# KiCad board RUSP_Mainboard_panelMockup.kicad_pcb (continued)
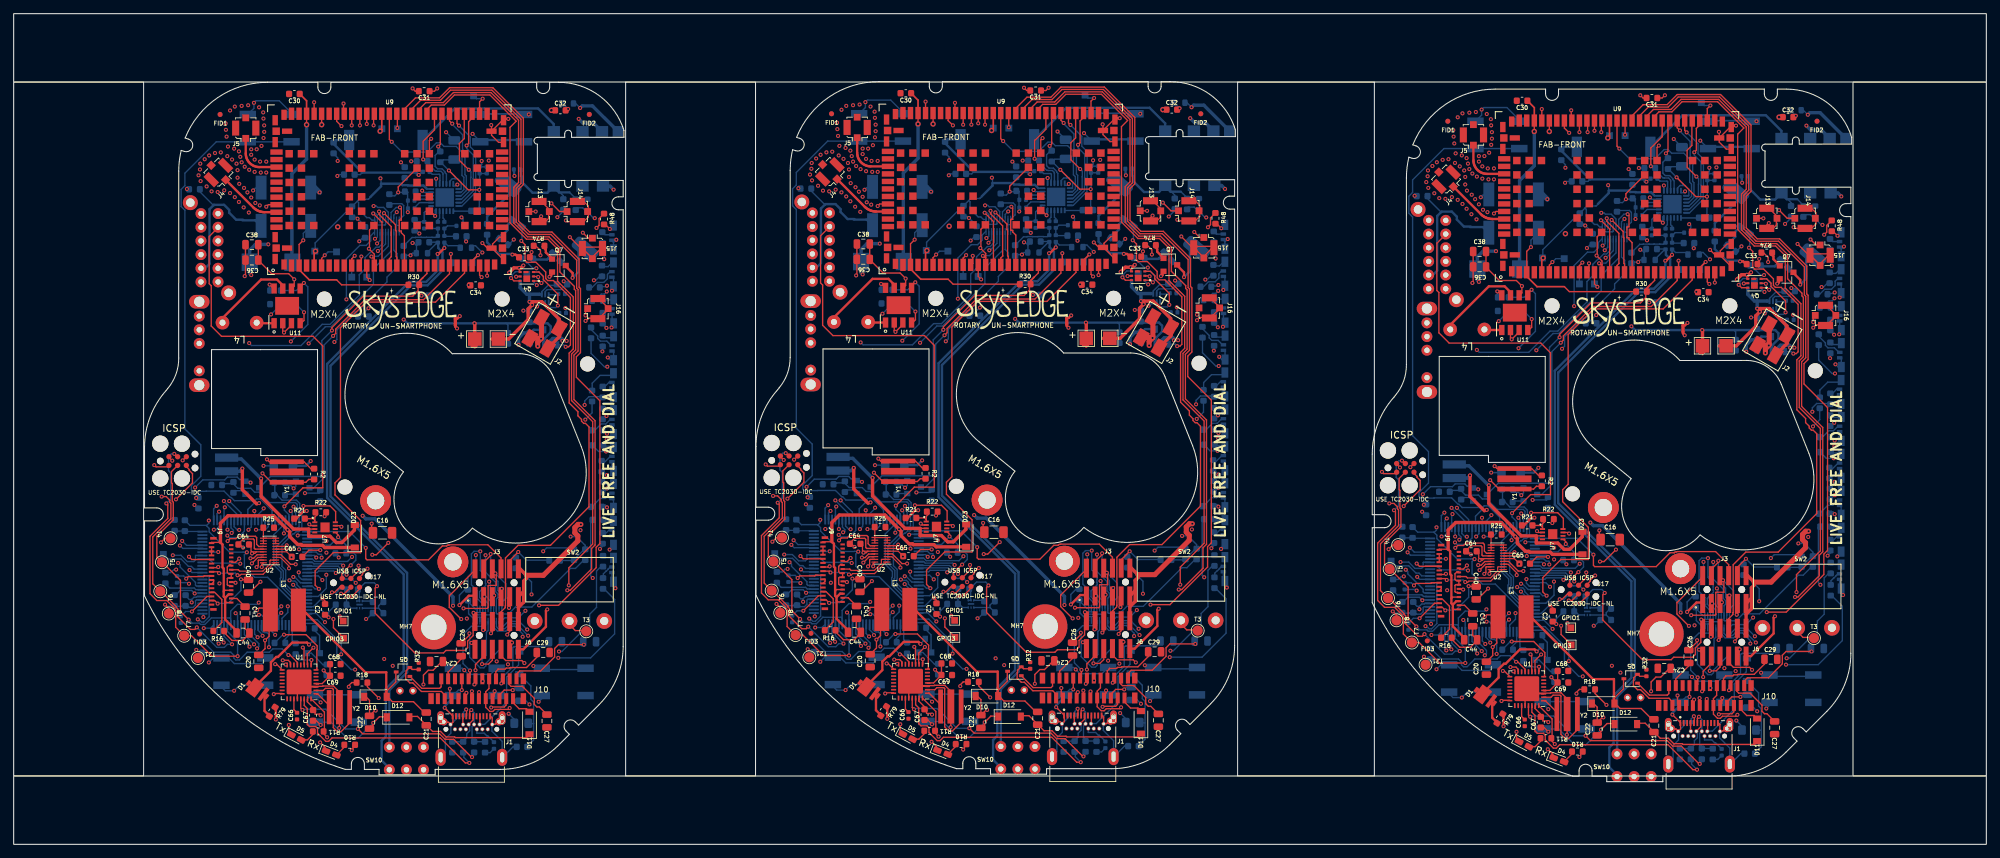
[diagram p0: board, top side]
## Routing (per net, layer and track width the routed paths; a pad name or vN(x,y) marks a point on that pad's centre or on a via; arc(x,y) is an arc through that point) (continued)
/USB PORT AND BRIDGE/16U2_RESET: length 88.7
  L1_GND+GNDA.Cu w0.2: v1(38.04,21.96) 38.14,22.06 39.26,22.06 ; R18#3.1 228.99,22.67 228.49,22.17 228.56,22.09 v1(228.56,22.04) ; v1(49.01,23.04) 49.01,23.09 48.94,23.16 49.44,23.66 R18.1 ; v1(127.46,22.06) 127.56,22.16 128.69,22.16 ; R18#2.1 138.86,23.76 138.36,23.26 138.43,23.19 v1(138.43,23.14) ; v1(217.59,20.97) 217.69,21.07 218.81,21.07 ; J17#3.5 140,37.46 v1(138.9,36.36) ; v1(49.48,36.26) 50.58,37.36 J17.5 ; J17#2.5 230.13,36.37 v1(229.03,35.27)
  L2_3v3+GNDA.Cu w0.2: v1(217.59,20.97) 217.61,20.99 227.51,20.99 v1(228.56,22.04) ; v1(138.43,23.14) 137.38,22.09 127.49,22.09 v1(127.46,22.06) ; v1(49.01,23.04) 47.96,21.99 38.06,21.99 v1(38.04,21.96)
  L4_GND.Cu w0.2: v1(228.56,22.04) 228.56,34.71 228.7,34.71 229.03,35.04 v1(229.03,35.27) ; v1(49.48,36.26) 49.48,36.04 49.15,35.7 49.01,35.7 v1(49.01,23.04) ; v1(138.43,23.14) 138.43,35.8 138.57,35.8 138.9,36.14 v1(138.9,36.36)
/USB PORT AND BRIDGE/16U2_SCK: length 50.2
  L1_GND+GNDA.Cu w0.2: v1(137.3,36.76) 137.78,36.76 J17#3.3 ; v1(227.43,35.67) 227.9,35.67 J17#2.3 ; 220.01,25.24 220.01,25.62 219.71,25.93 v1(218.9,25.93) ; 129.89,26.34 129.89,26.72 129.58,27.02 v1(128.78,27.02) ; J17.3 48.35,36.66 v1(47.88,36.66) ; v1(39.35,26.92) 40.16,26.92 40.47,26.62 40.47,26.24
  L4_GND.Cu w0.2: v1(128.78,27.02) 129.05,27.3 129.05,28.51 v1(137.3,36.76) ; v1(39.35,26.92) 39.63,27.2 39.63,28.41 v1(47.88,36.66) ; v1(227.43,35.67) 219.18,27.42 219.18,26.2 v1(218.9,25.93)
/USB PORT AND BRIDGE/FTDI-RESET: length 51
  L1_GND+GNDA.Cu w0.2: U1#3.13 130.91,26.71 129.84,27.79 v1(129.6,27.79) ; U1.13 41.49,26.61 40.41,27.69 v1(40.18,27.69) ; v1(219.73,26.69) 219.96,26.69 221.04,25.62 U1#2.13
  L6_GND.Cu w0.2: v1(129.6,27.79) 128.7,28.68 127.31,28.68 126.82,28.2 123.57,28.2 122.43,27.07 121.91,27.07 121.62,27.35 121.62,27.75 121.17,28.2 118.67,28.2 117.11,29.76 ; 207.24,28.67 208.8,27.11 211.3,27.11 211.75,26.66 211.75,26.26 212.03,25.97 212.56,25.97 213.69,27.11 216.95,27.11 217.43,27.59 218.83,27.59 v1(219.73,26.69) ; v1(40.18,27.69) 39.28,28.58 37.89,28.58 37.4,28.1 34.15,28.1 33.01,26.97 32.48,26.97 32.2,27.25 32.2,27.65 31.75,28.1 29.25,28.1 27.69,29.66
/USB PORT AND BRIDGE/FTDI-RX: length 31.7
  L1_GND+GNDA.Cu w0.2: U1.8 44.34,25.64 44.34,28.45 44.39,28.5 44.39,29.03 42.75,30.66 v1(39.54,30.66) ; U1#3.8 133.76,25.74 133.76,28.55 133.81,28.6 133.81,29.13 132.18,30.76 v1(128.96,30.76) ; v1(219.09,29.67) 222.3,29.67 223.94,28.03 223.94,27.5 223.89,27.45 223.89,24.64 U1#2.8
  L6_GND.Cu w0.2: 38.46,29.76 39.35,30.66 v1(39.54,30.66) ; 218,28.77 218.9,29.67 v1(219.09,29.67) ; v1(128.96,30.76) 128.78,30.76 127.88,29.86
/USB PORT AND BRIDGE/FTDI-TX: length 10.9
  L1_GND+GNDA.Cu w0.2: 223.09,25.24 v1(223.09,25.97) ; 43.54,26.24 v1(43.54,26.96) ; 132.96,26.34 v1(132.96,27.06)
  L6_GND.Cu w0.2: v1(132.96,27.06) 131.09,27.06 130.66,27.49 R8#2.1 ; v1(43.54,26.96) 41.66,26.96 41.24,27.39 R8.1 ; R8#3.1 220.79,26.39 221.21,25.97 v1(223.09,25.97)
/VSIM: length 351.6
  L1_GND+GNDA.Cu w0.2: v1(166.26,35.06) 169.11,35.06 174.61,40.56 174.61,43.55 175.15,44.09 175.15,64.98 171.71,68.43 171.71,71.41 172.31,72.01 172.31,81.39 172.11,81.6 172.11,85.69 168.14,89.66 164.86,89.66 163.26,91.26 163.26,95.91 163.96,96.61 163.96,106.31 159.51,110.76 153.17,110.76 151.69,109.29 148.19,109.29 146.56,107.66 U9#3.59 ; U9.59 57.14,107.56 58.76,109.18 62.27,109.18 63.75,110.66 70.09,110.66 74.54,106.21 74.54,96.51 73.84,95.81 73.84,91.16 75.44,89.56 78.71,89.56 82.69,85.59 82.69,81.5 82.89,81.29 82.89,71.91 82.29,71.31 82.29,68.33 85.73,64.88 85.73,43.99 85.19,43.45 85.19,40.46 79.69,34.96 v1(76.84,34.96) ; J6#2.6 159.43,33.25 159.46,33.29 159.46,31.21 v1(159.22,30.97) ; J6.6 70,33.15 70.04,33.19 70.04,31.11 v1(69.8,30.87) ; v1(249.35,29.88) 249.59,30.12 249.59,32.19 249.55,32.16 J6#3.6 ; 236.69,105.87 236.69,106.57 238.31,108.19 241.82,108.19 243.29,109.67 249.64,109.67 254.09,105.22 254.09,95.52 253.39,94.82 253.39,90.17 254.99,88.57 258.26,88.57 262.24,84.59 262.24,80.5 262.44,80.3 262.44,70.92 261.84,70.32 261.84,67.33 265.28,63.89 265.28,43 264.74,42.46 264.74,39.47 259.24,33.97 v1(256.39,33.97)
  L3_3v8+GNDA.Cu w0.2: v1(249.35,29.88) 253.44,33.97 v1(256.39,33.97) ; v1(69.8,30.87) 73.89,34.96 v1(76.84,34.96) ; v1(166.26,35.06) 163.31,35.06 v1(159.22,30.97)
LL_OE: length 428.2
  L1_GND+GNDA.Cu w0.2: J6#2.5 159.43,27.03 158.86,26.47 v1(157.92,26.47) ; v1(68.5,26.36) 69.44,26.36 70,26.93 J6.5 ; 217.87,42.19 220.06,42.19 v1(220.08,42.17) ; U2#3.6 129.93,43.28 v1(129.95,43.26) ; v1(248.05,25.37) 248.99,25.37 249.55,25.94 J6#3.5 ; v1(40.53,43.16) 40.51,43.18 U2#2.6
  L2_3v3+GNDA.Cu w0.2: v1(229.49,24.57) 229.94,24.12 243.63,24.12 244.93,25.42 248,25.42 v1(248.05,25.37) ; v1(139.36,25.66) 139.81,25.21 153.51,25.21 154.81,26.51 157.87,26.51 v1(157.92,26.47) ; v1(49.94,25.56) 50.39,25.11 64.08,25.11 65.38,26.41 68.45,26.41 v1(68.5,26.36)
  L3_3v8+GNDA.Cu w0.2: v1(213.65,41.72) 214.05,42.12 218.79,42.12 ; v1(28.54,47.36) 28.54,49.28 30.52,51.26 35.32,51.26 38.72,54.66 44.44,54.66 45.84,56.06 45.84,57.66 47.45,59.27 47.45,86.35 50.84,89.73 50.84,91.56 v1(52.64,93.36) ; v1(220.08,42.17) 218.88,42.17 ; v1(142.06,93.46) 140.26,91.66 140.26,89.83 136.87,86.45 136.87,59.37 135.26,57.76 135.26,56.16 133.86,54.76 128.14,54.76 124.74,51.36 119.94,51.36 117.96,49.38 v1(117.96,47.46) ; v1(40.53,43.16) 39.33,43.16 ; v1(34.1,42.71) 34.5,43.11 39.24,43.11 ; v1(208.09,46.37) 208.09,48.29 210.07,50.27 214.87,50.27 218.27,53.67 223.99,53.67 225.39,55.07 225.39,56.67 227,58.28 227,85.35 230.39,88.74 230.39,90.57 v1(232.19,92.37) ; 128.66,43.21 123.92,43.21 v1(123.52,42.82) ; v1(129.95,43.26) 128.76,43.26
  L6_GND.Cu w0.18: 69.39,31.28 U8.6 ; U8#2.6 248.94,30.28 ; U8#3.6 158.81,31.38 ; U10#3.6 234.34,91.47 ; 54.79,91.34 54.79,92.46 ; U10#2.6 144.21,92.56
  L6_GND.Cu w0.2: R29#2.2 205.33,45.67 207.69,45.67 207.74,45.62 ; R29#3.2 115.2,46.76 117.56,46.76 117.61,46.71 ; 213.13,41.74 211.11,41.74 208.14,44.72 208.14,45.22 207.74,45.62 ; v1(49.94,25.56) 49.35,25.56 47.55,27.36 47.4,27.36 47.25,27.51 47.25,29.5 44.44,32.31 42.49,32.31 41.54,33.27 41.54,34.65 37.13,39.06 35.24,39.06 33.74,40.56 33.74,42.35 v1(34.1,42.71) 34.05,42.76 33.54,42.76 ; v1(232.19,92.37) 232.59,92.37 232.79,92.17 233.64,92.17 234.34,91.47 ; v1(208.09,46.37) 208.09,45.97 207.74,45.62 ; v1(117.96,47.46) 117.96,47.06 117.61,46.71 ; v1(157.92,26.47) 157.92,27.12 158.55,27.75 158.55,31.12 158.81,31.38 ; 28.19,46.61 28.14,46.66 25.78,46.66 R29.2 ; 28.19,46.61 28.59,46.21 28.59,45.71 31.56,42.74 33.58,42.74 ; 28.19,46.61 28.54,46.96 v1(28.54,47.36) ; v1(52.64,93.36) 53.04,93.36 53.24,93.16 54.09,93.16 54.79,92.46 ; 248.94,30.28 248.68,30.02 248.68,26.66 248.05,26.03 v1(248.05,25.37) ; v1(139.36,25.66) 138.78,25.66 136.98,27.46 136.83,27.46 136.68,27.61 136.68,29.6 133.86,32.41 131.92,32.41 130.96,33.37 130.96,34.75 126.55,39.16 124.66,39.16 123.16,40.66 123.16,42.46 v1(123.52,42.82) 123.48,42.86 122.96,42.86 ; 69.39,31.28 69.13,31.02 69.13,27.65 68.5,27.02 v1(68.5,26.36) ; 117.61,46.71 118.01,46.31 118.01,45.81 120.99,42.84 123.01,42.84 ; 144.21,92.56 143.51,93.26 142.66,93.26 142.46,93.46 v1(142.06,93.46) ; v1(229.49,24.57) 228.9,24.57 227.1,26.37 226.95,26.37 226.8,26.52 226.8,28.5 223.99,31.32 222.04,31.32 221.09,32.27 221.09,33.66 216.68,38.07 214.79,38.07 213.29,39.57 213.29,41.36 v1(213.65,41.72) 213.6,41.77 213.09,41.77
Net-(C7-Pad1): length 38.1
  L6_GND.Cu w0.2: 254.59,13.27 255.59,14.27 255.59,16.67 ; 163.36,24.96 165.06,23.26 165.06,21.31 165.46,20.91 165.46,17.76 ; 76.04,17.66 75.24,17.66 ; 76.04,17.66 76.04,15.26 75.04,14.26 ; 76.04,17.66 76.04,20.81 75.64,21.21 75.64,23.16 73.94,24.86 ; 165.46,17.76 165.46,15.36 164.46,14.36 ; 165.46,17.76 164.66,17.76 ; 255.59,16.67 254.79,16.67 ; 255.59,16.67 255.59,19.82 255.19,20.22 255.19,22.17 253.49,23.87
Net-(C8-Pad1): length 18.2
  L1_GND+GNDA.Cu w0.2: 246.74,17.77 246.74,17.2 246.11,16.57 246.09,16.57 ; 67.19,18.76 67.19,18.19 66.56,17.56 66.54,17.56 ; 155.96,17.66 155.98,17.66 156.61,18.29 156.61,18.86
  L6_GND.Cu w0.2: 245.29,14.07 245.81,14.59 245.81,15.17 246.24,15.6 246.24,16.41 246.09,16.56 ; R7#2.2 243.75,14 243.69,14.07 ; 155.96,17.66 156.11,17.51 156.11,16.69 155.68,16.26 155.68,15.68 155.16,15.16 ; 64.14,15.06 64.2,15 R7.2 ; 153.56,15.16 153.62,15.1 R7#3.2 ; 66.54,17.56 66.69,17.41 66.69,16.59 66.26,16.16 66.26,15.58 65.74,15.06
Net-(C9-Pad1): length 23.6
  L1_GND+GNDA.Cu w0.2: 156.11,18.86 156.11,19.51 v1(156.35,19.75) ; v1(66.93,19.65) 66.69,19.41 66.69,18.76 ; 246.24,17.77 246.24,18.42 v1(246.47,18.66)
  L6_GND.Cu w0.2: 247.09,14.07 246.59,14.57 246.59,16.24 246.89,16.54 ; v1(66.93,19.65) 67.34,19.24 67.34,17.56 ; R6#3.2 158.41,15.11 ; R6#2.2 248.54,14.02 ; 67.34,17.54 67.04,17.24 67.04,15.56 67.54,15.06 ; 246.91,13.69 246.89,13.67 ; 246.89,16.57 246.89,18.24 v1(246.47,18.66) ; 246.74,13.72 246.79,13.67 246.79,13.72 ; 67.19,14.71 67.24,14.66 67.24,14.71 ; 156.61,14.81 156.66,14.76 156.66,14.81 ; 156.79,14.79 156.76,14.76 ; v1(156.35,19.75) 156.76,19.34 156.76,17.66 ; 156.76,17.64 156.46,17.34 156.46,15.66 156.96,15.16 ; R6.2 68.99,15.01 ; 67.37,14.69 67.34,14.66
Net-(C11-Pad1): length 40.7
  L2_3v3+GNDA.Cu w0.2: v1(80.44,82.36) 80.44,81.45 77.05,78.06 v1(74.54,78.06) ; v1(169.86,82.46) 169.86,81.55 166.48,78.16 v1(163.96,78.16) ; v1(254.09,77.07) 256.6,77.07 259.99,80.45 v1(259.99,81.37)
  L6_GND.Cu w0.2: v1(169.86,82.46) 170.05,82.28 170.05,81.81 ; U3#2.5 257.29,79.86 257.58,80.15 259.57,80.15 260.14,80.72 ; 254.99,76.97 254.89,77.07 v1(254.09,77.07) ; 80.59,81.71 80.02,81.14 78.03,81.14 77.74,80.85 U3.5 ; 80.62,81.71 80.62,82.18 v1(80.44,82.36) ; 260.17,80.72 260.17,81.18 v1(259.99,81.37) ; 164.86,78.06 164.76,78.16 v1(163.96,78.16) ; 170.01,81.81 169.44,81.24 167.45,81.24 167.16,80.95 U3#3.5 ; v1(74.54,78.06) 75.34,78.06 75.44,77.96
Net-(C11-Pad2): length 94
  L1_GND+GNDA.Cu w0.2: 80.64,75.76 80.54,75.76 80.26,75.48 ; 259.81,74.49 260.09,74.77 260.19,74.77 ; 170.06,75.86 169.96,75.86 169.69,75.58
  L1_GND+GNDA.Cu w0.5: J2.1 79.82,74.27 79.82,75.13 ; v1(254.99,78.37) 255.38,77.98 ; 259.76,74.49 260.29,75.02 ; v1(164.86,79.46) 165.25,79.07 ; v1(75.44,79.36) 75.83,78.97 ; 159.31,74.01 161.81,74.01 164.66,76.86 164.66,78.41 v1(165.25,79) 165.25,79.42 165.29,79.46 166.66,79.46 169.21,76.92 J2#2.1 169.78,75.58 170.06,75.86 ; 169.25,75.23 169.25,74.37 J2#2.1 ; J2#3.1 259.37,73.28 259.37,74.13 ; 260.19,74.77 259.91,74.49 J2#3.1 259.34,75.82 256.79,78.37 255.42,78.37 255.38,78.33 v1(255.38,77.9) 254.79,77.32 254.79,75.77 251.94,72.92 249.44,72.92 ; 69.89,73.91 72.39,73.91 75.24,76.76 75.24,78.31 v1(75.83,78.9) 75.83,79.32 75.87,79.36 77.24,79.36 79.79,76.81 J2.1 80.36,75.48 80.64,75.76 ; 80.21,75.48 80.74,76.01 ; 169.63,75.58 170.16,76.11
  L6_GND.Cu w0.18: U3.4 76.97,80.39 76.89,80.46 ; 256.44,79.47 256.51,79.39 U3#2.4 ; 166.31,80.56 166.39,80.49 U3#3.4
  L6_GND.Cu w0.2: 259.19,80.77 257.7,80.77 256.79,79.85 U3#2.4 ; 169.06,81.86 167.58,81.86 166.66,80.95 U3#3.4 ; 79.64,81.76 78.15,81.76 77.24,80.85 U3.4
  L6_GND.Cu w0.5: v1(255.38,77.9) 255.38,77.98 v1(254.99,78.37) 254.99,79.47 ; 254.99,79.47 254.59,79.47 253.61,80.44 Q3#2.4 ; 254.99,79.47 256.44,79.47 256.45,79.46 ; v1(165.25,79) 165.25,79.07 v1(164.86,79.46) 164.86,80.56 ; 164.86,80.56 166.31,80.56 166.32,80.55 ; 164.86,80.56 164.46,80.56 163.49,81.54 163.49,82.51 ; 76.9,80.45 76.89,80.46 75.44,80.46 ; 75.44,80.46 v1(75.44,79.36) 75.83,78.97 v1(75.83,78.9) ; 75.44,80.46 75.04,80.46 74.06,81.44 Q3.4
Net-(C14-Pad1): length 65.2
  L6_GND.Cu w0.2: 208.84,92.39 206.44,94.8 ; 29.29,93.39 26.89,95.79 ; 118.72,93.49 116.31,95.89
  L6_GND.Cu w0.35: 125.46,90.66 124.75,91.38 122.86,91.38 ; 213.09,90.37 212.09,90.37 211.06,91.39 211.06,91.81 210.32,92.55 208.83,92.55 208.19,91.91 208.19,83.92 207.39,83.12 ; 33.44,91.28 35.32,91.28 36.04,90.56 ; 27.84,84.11 28.64,84.91 28.64,92.9 29.28,93.54 30.78,93.54 31.52,92.8 31.52,92.39 32.54,91.36 33.54,91.36 ; 122.96,91.46 121.96,91.46 120.94,92.49 120.94,92.9 120.2,93.64 118.7,93.64 118.06,93 118.06,85.01 117.26,84.21 ; 212.99,90.28 214.87,90.28 215.59,89.57
Net-(C21-Pad1): length 57
  L1_GND+GNDA.Cu w0.2: 75.49,16.09 75.01,15.61 64.59,15.61 64.48,15.71 63.23,15.71 62.43,16.51 61.26,16.51 59.06,18.71 57.99,18.71 ; 255.04,15.1 254.56,14.61 244.14,14.61 244.03,14.72 242.78,14.72 241.98,15.52 240.81,15.52 238.61,17.72 237.54,17.72 ; 147.41,18.81 148.48,18.81 150.68,16.61 151.86,16.61 152.66,15.81 153.91,15.81 154.01,15.71 164.43,15.71 164.91,16.19
Net-(C21-Pad2): length 90.1
  L1_GND+GNDA.Cu w0.2: 145.31,25.41 145.31,23.86 144.01,22.56 144.01,21.76 144.81,20.96 147.9,20.96 149.48,19.38 C21#2.2 ; C21#3.2 239.61,18.28 238.02,19.87 234.94,19.87 234.14,20.67 234.14,21.47 235.44,22.77 235.44,24.32 ; C21.2 60.06,19.28 58.47,20.86 55.39,20.86 54.59,21.66 54.59,22.46 55.89,23.76 55.89,25.31
  L1_GND+GNDA.Cu w0.35: 234.04,20.97 234.04,24.17 230.97,24.17 221.89,33.25 ; 54.49,21.96 54.49,25.16 51.42,25.16 42.34,34.24 ; 143.91,22.06 143.91,25.26 140.84,25.26 131.76,34.34
Net-(C46-Pad1): length 285.8
  L1_GND+GNDA.Cu w0.35: v1(152.41,87.32) 151.55,86.46 v1(151.42,86.46) ; v1(241.55,85.37) 241.68,85.37 v1(242.53,86.22) ; v1(62,86.36) 62.13,86.36 v1(62.98,87.22)
  L6_GND.Cu w0.2: 65.26,87.56 63.49,87.56 62.99,88.06 ; 51.64,77.21 51.64,77.19 52.2,76.62 ; 152.41,88.16 152.91,87.66 154.69,87.66 ; 244.81,86.57 243.04,86.57 242.54,87.07 ; 231.75,75.63 231.19,76.19 231.19,76.22 ; 141.62,76.72 141.06,77.29 141.06,77.31
  L6_GND.Cu w0.35: 62.98,88 62.98,87.22 v1(62.98,87.22) ; 152.4,88.1 152.4,87.32 v1(152.41,87.32) ; 144.39,11.21 143.24,12.37 143.24,15.26 143.85,15.87 143.85,22.86 146.46,25.47 146.46,39.59 135.26,50.79 135.26,70.36 147.26,82.36 149.74,82.36 151.42,84.04 v1(151.42,86.46) ; 54.97,11.11 53.81,12.27 53.81,15.16 54.43,15.77 54.43,22.76 57.04,25.37 57.04,39.49 45.84,50.69 45.84,70.26 57.84,82.26 60.32,82.26 62,83.94 v1(62,86.36) ; v1(242.53,86.22) 242.53,86.23 242.53,87.01 ; 234.52,10.12 233.36,11.27 233.36,14.16 233.98,14.78 233.98,21.76 236.59,24.37 236.59,38.49 225.39,49.69 225.39,69.27 237.39,81.27 239.87,81.27 241.55,82.95 v1(241.55,85.37)
Net-(C47-Pad1): length 273.6
  L6_GND.Cu w0.2: 60.66,86.64 60.66,86.74 61.86,87.93 ; 62.06,88.04 62.03,88.07 60.47,88.07 ; 151.48,88.14 151.45,88.17 149.9,88.17 ; 151.28,88.03 150.09,86.84 150.09,86.74 ; 240.21,85.64 240.21,85.74 241.41,86.94 ; 241.61,87.05 241.58,87.08 240.02,87.08
  L6_GND.Cu w0.35: 234.5,13.43 234.5,21.58 237.09,24.17 237.09,38.7 225.89,49.9 225.89,69.01 237.65,80.77 240.08,80.77 242.26,82.95 242.26,85.61 241.64,86.23 241.64,87.07 ; 151.51,88.16 151.51,87.33 152.13,86.71 152.13,84.04 149.95,81.86 147.52,81.86 135.76,70.1 135.76,50.99 146.96,39.79 146.96,25.26 144.37,22.67 144.37,14.52 ; 54.95,14.42 54.95,22.57 57.54,25.16 57.54,39.69 46.34,50.89 46.34,70 58.1,81.76 60.53,81.76 62.71,83.94 62.71,86.61 62.09,87.23 62.09,88.06
Net-(C48-Pad1): length 14.9
  L6_GND.Cu w0.2: L5.1 62.99,90.06 ; 62.99,89.01 63.06,88.94 64.98,88.94 ; L5#3.1 242.54,89.07 ; 242.59,89.07 242.99,89.47 R35#2.1 ; 154.4,89.04 152.49,89.04 152.41,89.11 ; R35#3.1 152.86,90.56 152.46,90.16 ; L5#2.1 152.41,90.16 ; R35.1 63.44,90.46 63.04,90.06 ; 244.53,87.94 242.61,87.94 242.54,88.02
Net-(C49-Pad1): length 25.9
  L6_GND.Cu w0.2: L6.1 62.04,90.06 ; R38.1 61.97,90.08 ; C49.1 58.26,88.76 58.76,88.76 58.79,88.8 59.62,88.8 59.63,88.78 60.35,88.78 60.36,88.8 61.19,88.8 61.21,88.78 61.73,88.78 62.01,89.06 ; 241.56,88.07 241.28,87.79 240.75,87.79 240.74,87.8 239.91,87.8 239.9,87.79 239.18,87.79 239.16,87.8 238.34,87.8 238.3,87.77 237.81,87.77 C49#3.1 ; L6#3.1 241.59,89.07 ; R38#2.1 151.4,90.18 ; C49#2.1 147.69,88.86 148.18,88.86 148.21,88.9 149.04,88.9 149.05,88.88 149.77,88.88 149.79,88.9 150.61,88.9 150.63,88.88 151.16,88.88 151.44,89.16 ; L6#2.1 151.46,90.16 ; R38#3.1 241.52,89.08
Net-(C50-Pad1): length 12.1
  L6_GND.Cu w0.2: 58.71,91.05 R38.2 60.04,92.41 60.99,93.36 ; 238.25,90.05 R38#3.2 239.59,91.42 240.54,92.37 ; 148.13,91.15 R38#2.2 149.46,92.51 150.41,93.46
Net-(C51-Pad1): length 4.9
  L6_GND.Cu w0.2: 62.79,92.61 62.79,91.61 62.99,91.41 C51.1 ; 242.34,91.62 242.34,90.62 242.54,90.42 C51#3.1 ; 152.21,92.71 152.21,91.71 152.41,91.51 C51#2.1
Net-(C52-Pad1): length 5.3
  L6_GND.Cu w0.2: C52.1 62.04,91.36 62.29,91.61 62.29,92.71 ; C52#3.1 151.46,91.46 151.71,91.71 151.71,92.81 ; C52#2.1 241.59,90.37 241.84,90.62 241.84,91.72
Net-(C53-Pad1): length 8.1
  L6_GND.Cu w0.2: U12.3 58.64,94.36 ; U12#2.3 238.19,93.37 ; U12#3.3 148.06,94.46
Net-(C54-Pad1): length 8.2
  L6_GND.Cu w0.2: 240.7,93.88 238.66,93.88 238.17,94.37 ; 150.57,94.97 148.54,94.97 148.05,95.46 ; 58.62,95.36 59.12,94.87 61.15,94.87
Net-(C55-Pad1): length 9
  L6_GND.Cu w0.2: 148.06,93.26 148.76,93.96 U12#3.2 ; 58.64,93.16 59.34,93.86 U12.2 ; 238.19,92.17 238.89,92.87 U12#2.2
Net-(C60-Pad1): length 48.6
  L6_GND.Cu w0.2: 82.14,94.21 82.34,94.41 83.74,94.41 ; 82.12,94.07 82.25,94.07 82.31,94.14 82.31,94.34 81.29,95.36 ; 170.71,95.46 171.74,94.44 171.74,94.24 171.67,94.17 171.54,94.17 ; 173.16,94.51 171.76,94.51 171.56,94.31 ; J8.2 80.39,94.86 C60.1 ; C60#3.1 259.94,93.87 J8#3.2 ; C60#2.1 169.81,94.96 J8#2.2 ; 261.66,93.08 261.8,93.08 261.86,93.14 261.86,93.34 260.84,94.37 ; 261.69,93.22 261.89,93.42 263.29,93.42
  L6_GND.Cu w0.35: 253.74,97.82 253.74,96.74 253.86,96.61 253.86,95.89 255.44,94.32 257.62,94.32 258.48,95.18 ; 260.84,94.37 259.31,94.37 258.59,95.09 ; 170.71,95.46 169.18,95.46 168.46,96.18 ; 81.29,95.36 79.76,95.36 79.04,96.08 ; 78.93,96.17 78.07,95.31 75.89,95.31 74.31,96.89 74.31,97.61 74.19,97.73 74.19,98.81 ; 163.61,98.91 163.61,97.83 163.74,97.71 163.74,96.99 165.31,95.41 167.49,95.41 168.35,96.27
Net-(C61-Pad1): length 477.8
  L2_3v3+GNDA.Cu w0.35: v1(238.79,96.92) 238.86,96.99 242.89,96.99 242.94,96.94 246.95,96.94 v1(249.03,99.02) ; v1(148.66,98.01) 148.74,98.09 152.76,98.09 152.81,98.04 156.83,98.04 v1(158.9,100.11) ; v1(69.48,100.01) 67.41,97.94 63.39,97.94 63.34,97.99 59.31,97.99 v1(59.24,97.91)
  L5_3v8.Cu w0.5: v1(262.39,106.72) 260.64,104.97 254.99,104.97 248.85,98.83 248.85,93.4 245.01,89.56 245.01,85.86 241.75,82.59 239.06,82.59 238.69,82.23 238.69,82.07 225.92,69.29 225.92,53.91 224.56,52.56 224.56,48.45 226.64,46.37 226.64,45.26 227.26,44.64 228.07,44.64 229.07,43.64 229.07,42.35 231.4,40.02 231.63,40.02 235.29,36.35 235.29,27.94 235.69,27.54 235.69,21.82 236.04,21.47 236.04,14.37 237.04,13.37 ; v1(82.84,107.71) 81.09,105.96 75.44,105.96 69.3,99.82 69.3,94.39 65.46,90.55 65.46,86.85 62.2,83.59 59.51,83.59 59.15,83.22 59.15,83.07 46.37,70.29 46.37,54.91 45.01,53.55 45.01,49.44 47.09,47.36 47.09,46.26 47.71,45.63 48.52,45.63 49.52,44.63 49.52,43.34 51.85,41.01 52.08,41.01 55.74,37.35 55.74,28.93 56.14,28.53 56.14,22.81 MK1.1 56.49,15.36 57.49,14.36 ; 146.91,14.46 145.91,15.46 MK1#3.1 145.56,22.91 145.56,28.63 145.16,29.03 145.16,37.45 141.5,41.11 141.27,41.11 138.94,43.44 138.94,44.73 137.94,45.73 137.14,45.73 136.51,46.36 136.51,47.46 134.43,49.54 134.43,53.65 135.79,55.01 135.79,70.39 148.57,83.17 148.57,83.32 148.93,83.69 151.62,83.69 154.89,86.95 154.89,90.66 158.72,94.49 158.72,99.92 164.86,106.06 170.51,106.06 v1(172.26,107.81)
  L6_GND.Cu w0.2: L8.1 59.69,98.36 v1(59.24,97.91) ; v1(262.39,106.72) 261.73,107.38 D18.1 ; D18#3.1 82.18,108.37 v1(82.84,107.71) ; C61.1 50.69,97.96 50.98,98.26 ; L8#2.1 239.24,97.37 v1(238.79,96.92) ; D18#2.1 171.6,108.47 v1(172.26,107.81) ; L8#3.1 149.11,98.46 v1(148.66,98.01) ; C61#2.1 140.11,98.06 140.4,98.36 ; C61#3.1 230.23,96.97 230.53,97.26
  L6_GND.Cu w0.35: v1(148.66,98.01) 148.31,98.36 140.4,98.36 136.21,102.55 C63#2.1 136.57,103.11 LS1#2.2 139.01,103.64 ; 238.51,96.94 238.76,96.94 ; v1(238.79,96.92) 238.44,97.26 230.53,97.26 226.34,101.46 C63#3.1 226.7,102.02 LS1#3.2 229.14,102.54 ; v1(59.24,97.91) 58.89,98.26 50.98,98.26 46.79,102.45 C63.1 47.15,103.01 LS1.2 49.59,103.54 ; 148.39,98.04 148.64,98.04 ; 58.96,97.94 59.21,97.94
  L6_GND.Cu w0.5: 267.94,103.27 264.19,107.02 262.69,107.02 v1(262.39,106.72) ; v1(82.84,107.71) 83.14,108.01 84.64,108.01 J8.1 ; J8#2.1 174.06,108.11 172.56,108.11 v1(172.26,107.81)
Net-(C66-Pad1): length 6.9
  L1_GND+GNDA.Cu w0.2: 130.41,21.46 130.41,19.8 C66#2.1 ; C66.1 40.99,19.7 40.99,21.36 ; C66#3.1 220.54,18.7 220.54,20.37
Net-(D1-Pad1): length 40.2
  L1_GND+GNDA.Cu w0.2: D1.1 35.25,23.6 ; D1#3.1 214.8,22.61 ; D1#2.1 124.67,23.7
  L1_GND+GNDA.Cu w0.35: v1(222.74,28.22) 222.44,28.52 220.3,28.52 218.2,26.41 217.96,26.41 217.17,25.62 217.17,24.4 214.79,22.02 ; v1(132.61,29.31) 132.31,29.61 130.17,29.61 128.07,27.51 127.83,27.51 127.04,26.72 127.04,25.49 124.66,23.11 ; 35.24,23.01 37.62,25.39 37.62,26.62 38.41,27.41 38.65,27.41 40.75,29.51 42.89,29.51 v1(43.19,29.21)
  L6_GND.Cu w0.2: Q6#3.3 133.31,30.01 v1(132.61,29.31) ; Q6.3 43.89,29.91 v1(43.19,29.21) ; Q6#2.3 223.44,28.92 v1(222.74,28.22)
Net-(D1-Pad2): length 9.9
  L1_GND+GNDA.Cu w0.35: 126.86,18.86 126.11,19.61 126.11,21.86 ; 216.99,17.77 216.24,18.52 216.24,20.77 ; 37.44,18.76 36.69,19.51 36.69,21.76
Net-(D2-Pad1): length 71.2
  L1_GND+GNDA.Cu w0.2: v1(170.15,72.87) 170.58,72.87 170.85,73.14 170.85,80.09 168.37,82.56 167.52,82.56 167.24,82.85 167.24,83.8 165.8,85.24 164.49,85.24 164.21,85.51 164.21,87.81 v1(163.66,88.36) ; v1(74.24,88.26) 74.79,87.71 74.79,85.41 75.06,85.14 76.38,85.14 77.81,83.7 77.81,82.75 78.1,82.46 78.95,82.46 81.42,79.98 81.42,73.04 81.16,72.77 v1(80.73,72.77) ; v1(253.79,87.27) 254.34,86.72 254.34,84.42 254.61,84.14 255.93,84.14 257.36,82.71 257.36,81.75 257.65,81.47 258.5,81.47 260.97,78.99 260.97,72.05 260.7,71.78 v1(260.28,71.78)
  L6_GND.Cu w0.2: v1(170.15,72.87) 169.87,73.16 U5#3.1 ; v1(163.66,88.36) 163.76,88.46 163.76,90.44 ; v1(253.79,87.27) 253.89,87.37 253.89,89.35 ; v1(74.24,88.26) 74.34,88.36 74.34,90.34 ; U5.1 80.44,73.06 v1(80.73,72.77) ; U5#2.1 259.99,72.07 v1(260.28,71.78)
Net-(D2-Pad2): length 11.2
  L6_GND.Cu w0.35: 160.22,88.71 160.72,89.22 160.92,89.22 161.66,89.96 161.66,90.69 D2#3.2 ; D2.2 72.24,90.59 72.24,89.86 71.49,89.12 71.3,89.12 70.79,88.61 ; D2#2.2 251.79,89.6 251.79,88.87 251.04,88.12 250.85,88.12 250.34,87.62
Net-(D3-Pad2): length 60.8
  L1_GND+GNDA.Cu w0.2: 68.19,18.76 68.19,17.61 ; 245.24,17.77 245.24,16.72 245.29,16.67 ; 155.16,17.76 155.11,17.81 155.11,18.86 ; 65.74,17.66 65.69,17.71 65.69,18.76 ; 157.61,18.86 157.61,17.71 ; 247.74,17.77 247.74,16.62
  L2_3v3+GNDA.Cu w0.2: 155.16,17.66 155.16,18.46 155.46,18.76 157.56,18.76 157.56,17.64 ; 245.29,16.57 245.29,17.37 245.59,17.67 247.69,17.67 247.69,16.54 ; 65.74,17.56 65.74,18.36 66.04,18.66 68.14,18.66 68.14,17.54
  L6_GND.Cu w0.2: 163.26,28.41 163.26,26.32 161.51,24.57 161.51,20.86 158.31,17.66 157.56,17.66 ; 68.14,17.56 68.89,17.56 72.09,20.76 72.09,24.47 73.84,26.22 73.84,28.31 ; 247.69,16.56 248.43,16.56 251.64,19.77 251.64,23.47 253.39,25.22 253.39,27.32
Net-(D4-Pad1): length 55.9
  L1_GND+GNDA.Cu w0.2: 132.36,26.41 132.36,27.96 v1(133.26,28.86) ; 222.49,25.32 222.49,26.87 v1(223.39,27.77) ; v1(43.84,28.76) 42.94,27.86 42.94,26.31 ; v1(134.24,15.01) 134.96,14.28 134.96,13.76 ; 225.09,12.67 225.09,13.19 v1(224.37,13.91) ; v1(44.82,14.9) 45.54,14.18 45.54,13.66
  L4_GND.Cu w0.2: v1(224.37,13.91) 223.89,14.39 223.89,27.27 v1(223.39,27.77) ; v1(43.84,28.76) 44.34,28.26 44.34,15.38 v1(44.82,14.9) ; v1(133.26,28.86) 133.76,28.36 133.76,15.48 v1(134.24,15.01)
Net-(D4-Pad2): length 6.3
  L1_GND+GNDA.Cu w0.2: D4#3.2 228.19,13.52 228.19,13.57 ; D4#2.2 138.06,14.61 138.06,14.66 ; D4.2 48.64,14.51 48.64,14.56
Net-(D5-Pad1): length 49
  L1_GND+GNDA.Cu w0.2: v1(129.66,17.56) 129.66,16.56 130.06,16.16 ; 40.64,16.06 40.24,16.46 v1(40.24,17.46) ; 222.01,25.27 222.01,27.61 v1(221.84,27.79) ; 220.19,15.07 219.79,15.47 v1(219.79,16.47) ; 42.47,26.26 42.47,28.6 v1(42.29,28.78) ; 131.89,26.36 131.89,28.71 v1(131.71,28.88)
  L4_GND.Cu w0.2: v1(219.79,16.47) 219.79,23.09 221.84,25.14 v1(221.84,27.79) ; v1(42.29,28.78) 42.29,26.13 40.24,24.09 v1(40.24,17.46) ; v1(129.66,17.56) 129.66,24.19 131.71,26.23 v1(131.71,28.88)
Net-(D5-Pad2): length 7.3
  L1_GND+GNDA.Cu w0.2: D5#2.2 222.51,14.29 223.49,15.27 223.39,15.36 ; D5.2 42.96,15.28 43.94,16.26 43.84,16.36 ; 133.27,16.46 133.36,16.36 132.38,15.38 D5#3.2
Net-(D6-Pad1): length 21.8
  L1_GND+GNDA.Cu w0.35: 80.64,84.66 81.74,83.56 v1(81.74,82.86) ; v1(171.16,82.96) 171.16,83.66 170.06,84.76 ; v1(261.29,81.87) 261.29,82.57 260.19,83.67